# Altium PCB MasterBoard (Trapezoid).PcbDoc (part 1 of 2)
Units mil, origin at the board's own origin, x right, y up, seen from the top; angles counter-clockwise.
Board outline 2846.02 x 5000 mil, 4 copper layers (Top Layer, GROUND, POWER, Bottom Layer), stack 23.756 mil thick; 102 components, 58 nets, 332 pads, 94 vias.
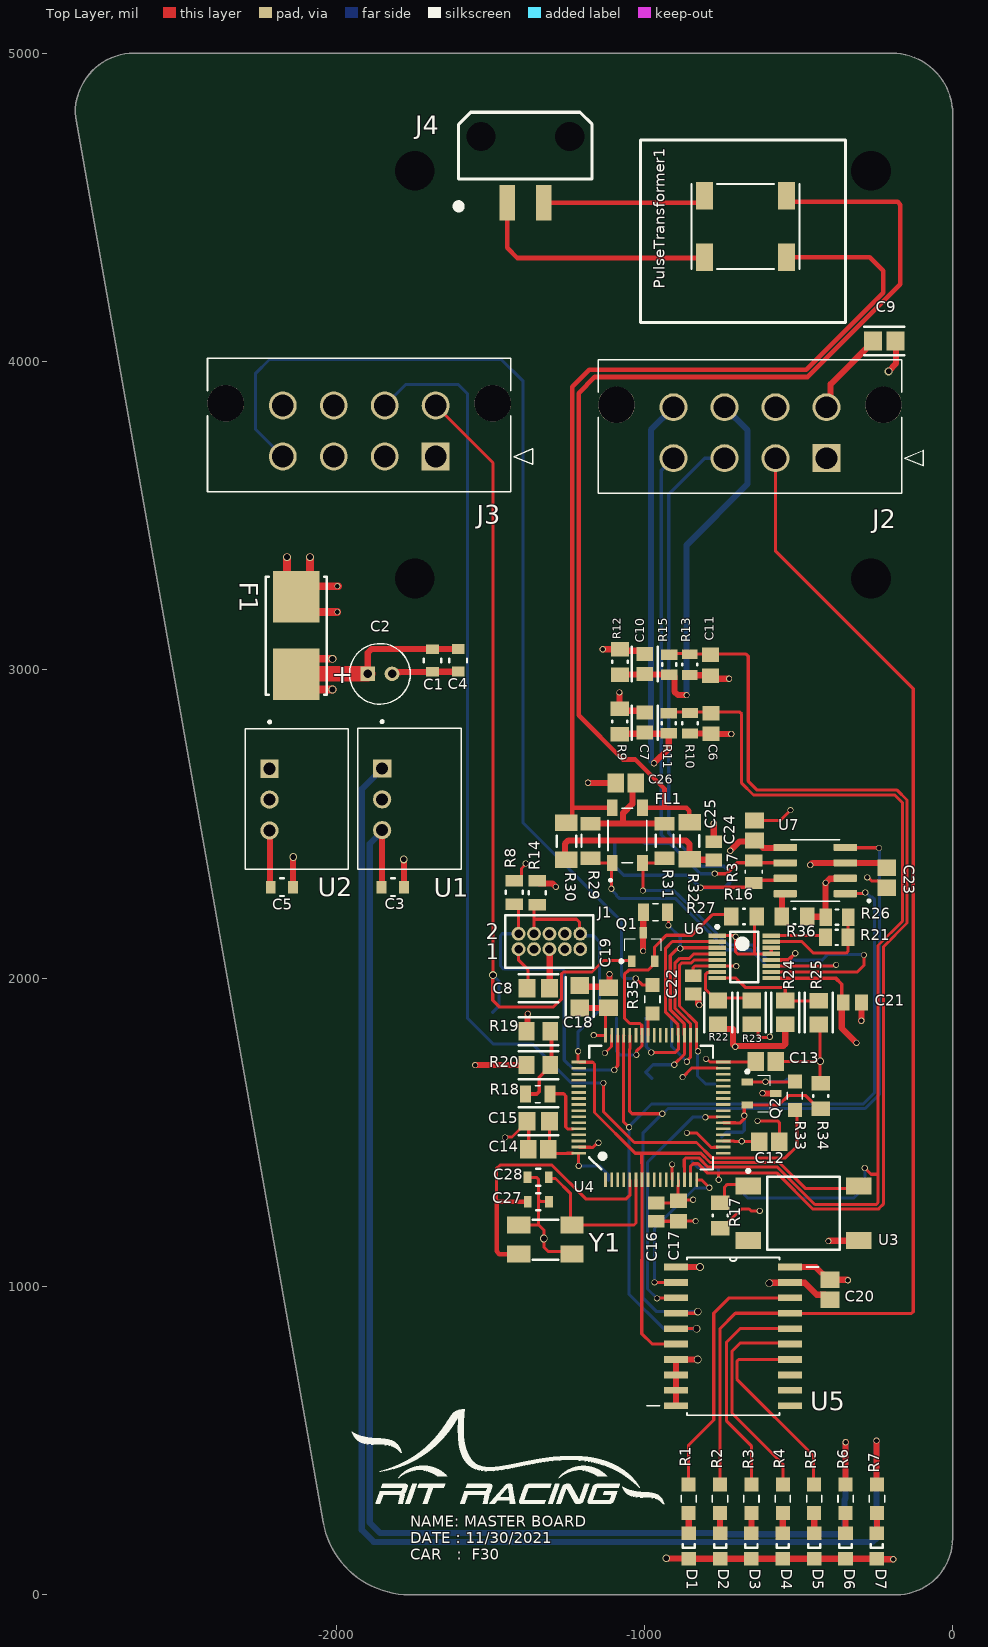
[diagram p0: Top Layer view]
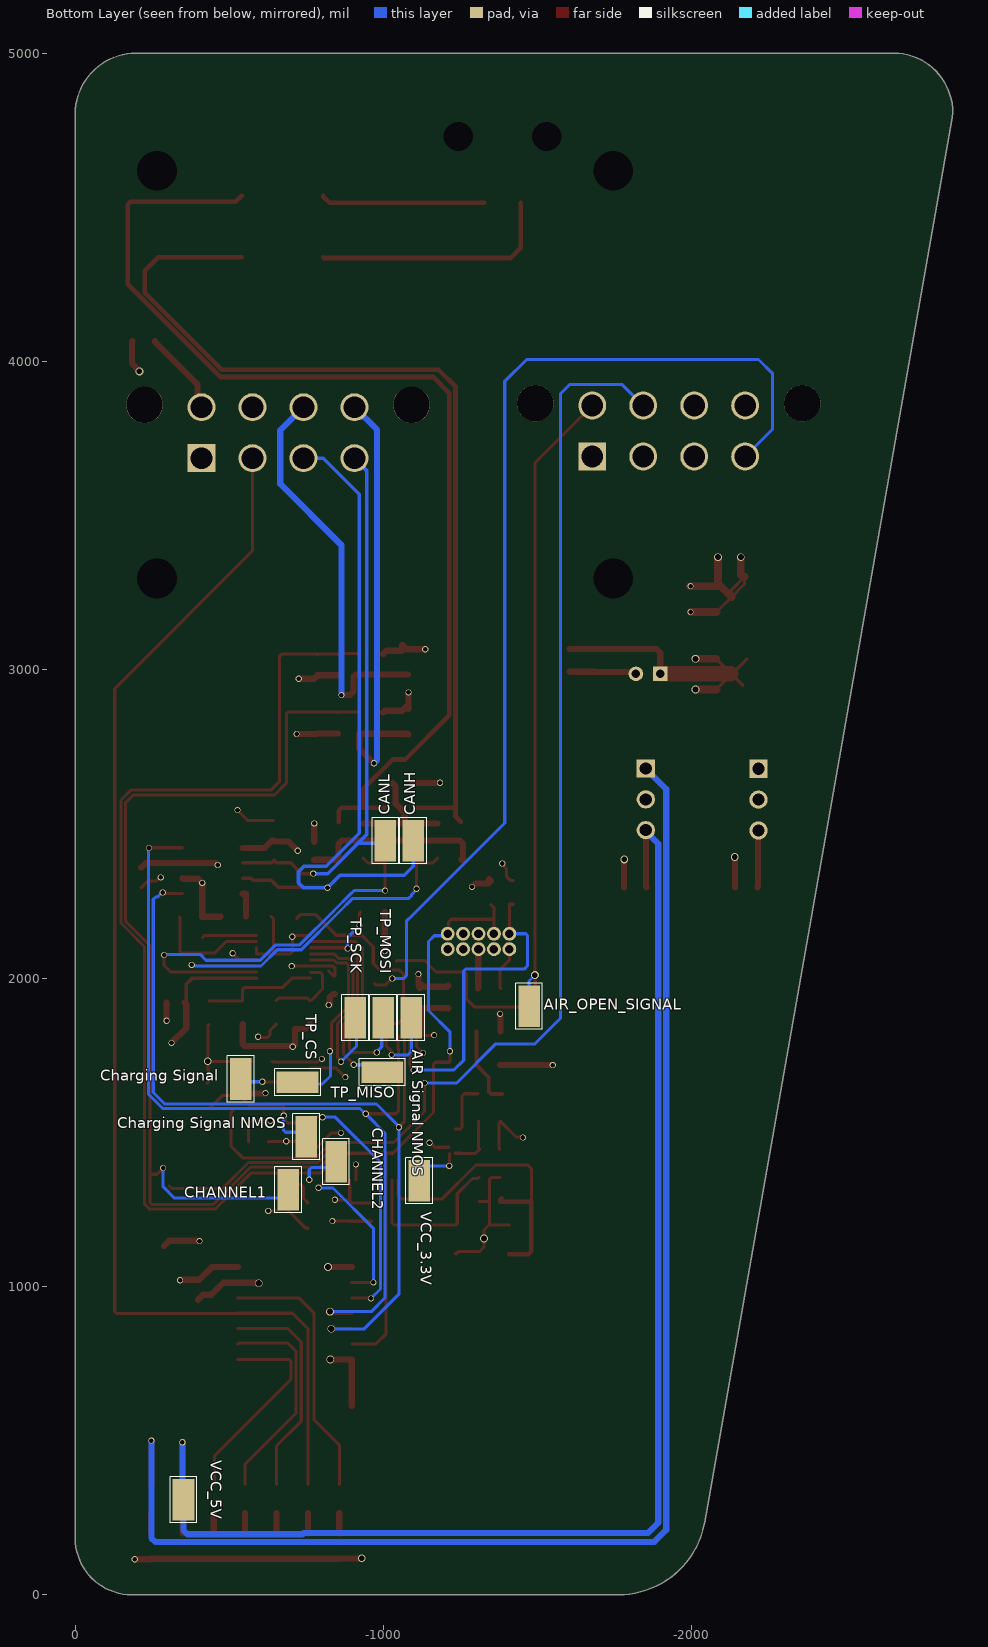
[diagram p1: Bottom Layer view, seen from below]
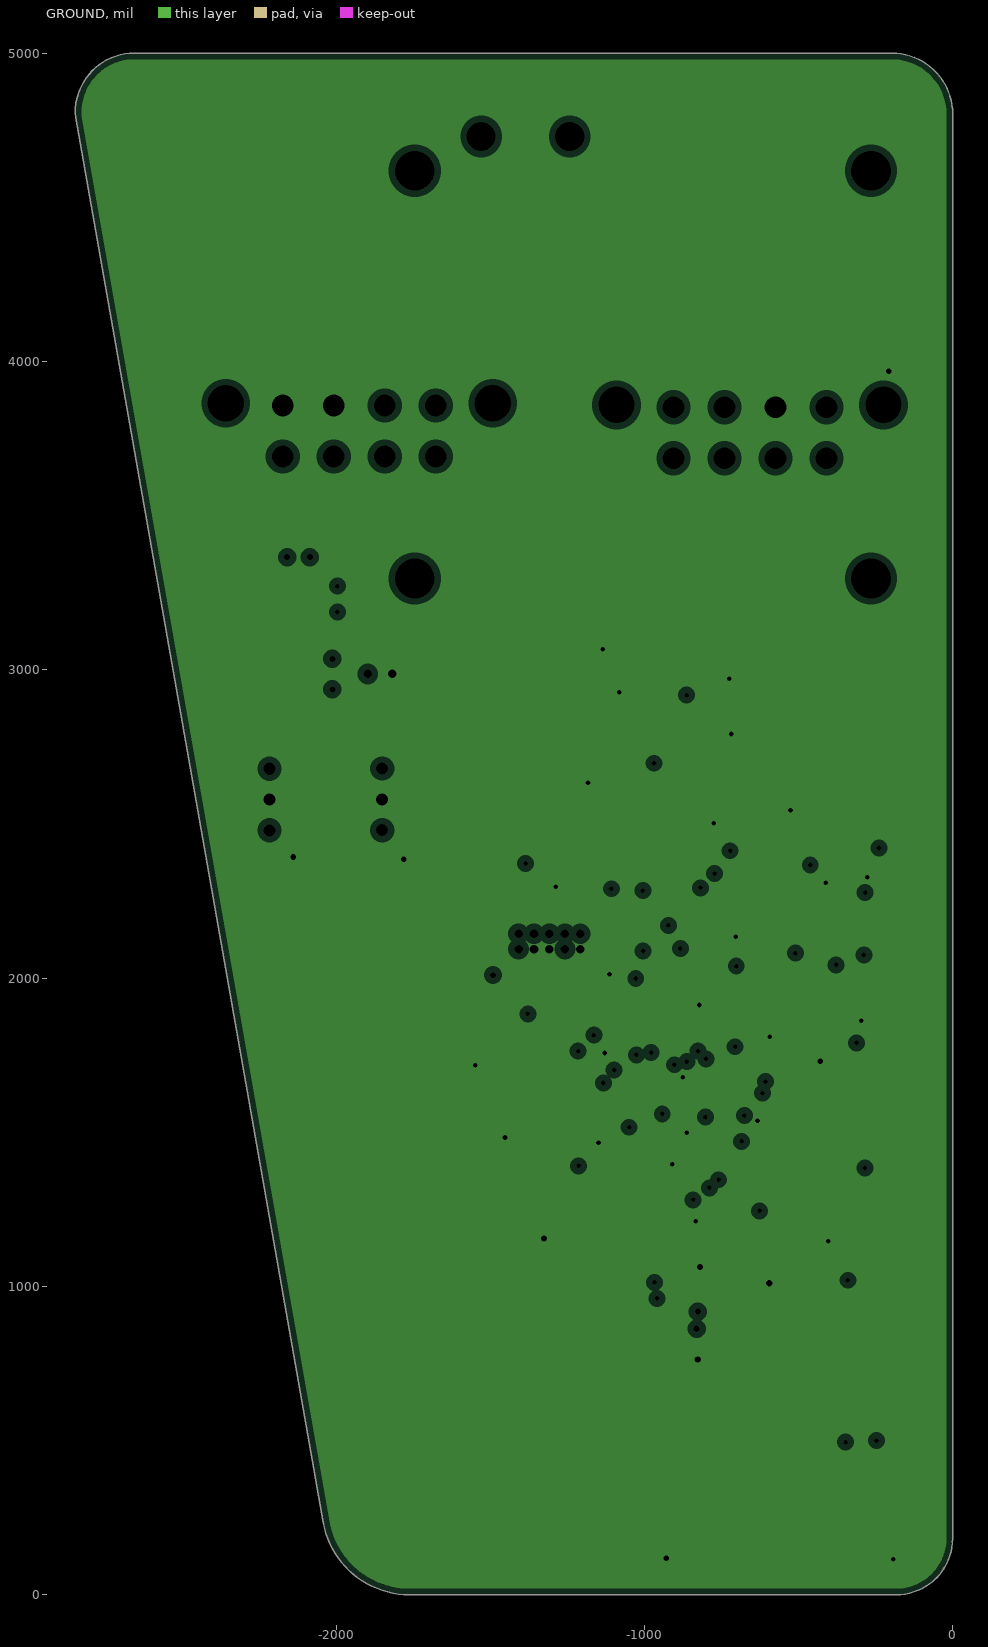
[diagram p2: GROUND, clearances drawn from the general rule]
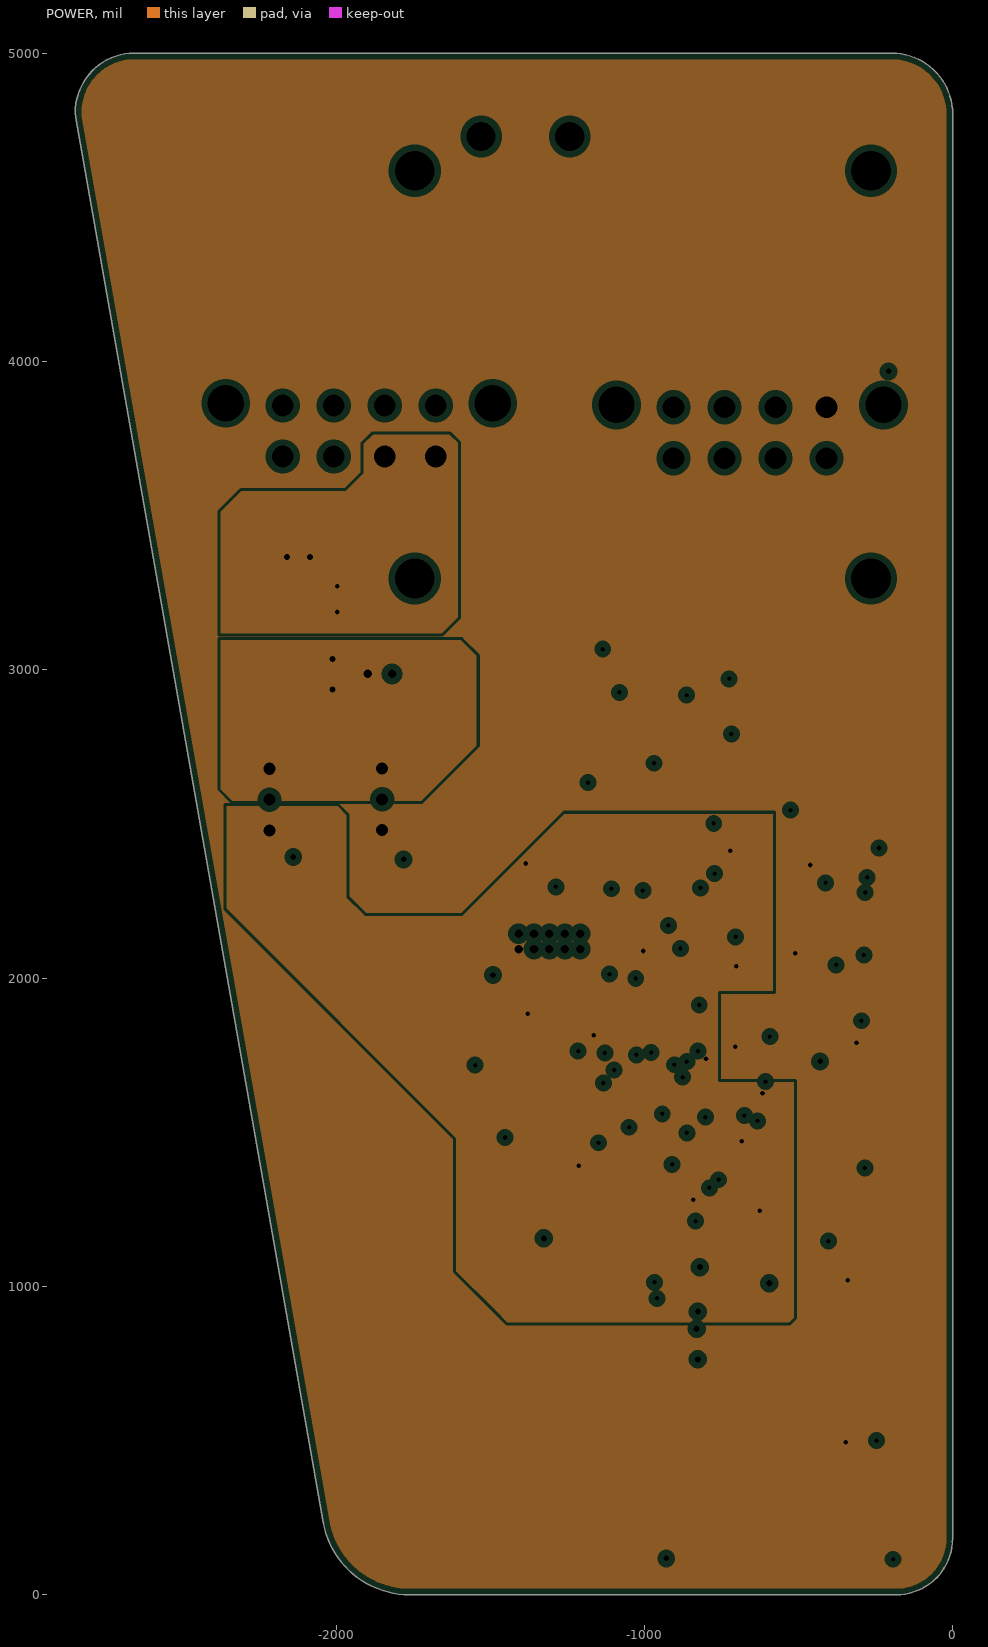
[diagram p3: POWER, clearances drawn from the general rule]
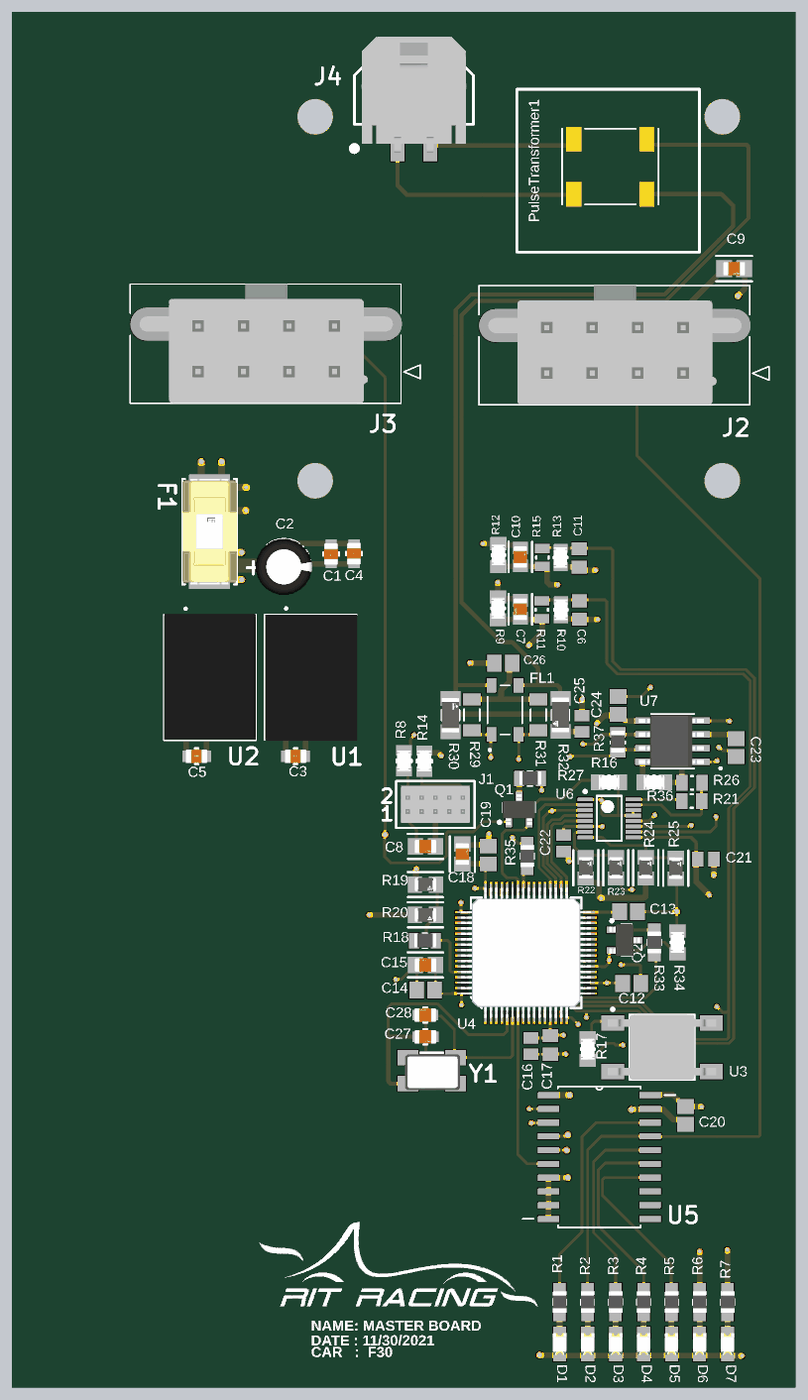
[diagram p5: 3D render of the assembled board from above, using the file's embedded part models]

## Layer stack, top to bottom
Top Solder: solder mask 0.4, Solder Resist, Dk 3.5
Top Layer: signal copper 1.4
Dielectric 2: prepreg 2.8, PP-006, Dk 4.1
GROUND: plane copper 1.378, net GND
Dielectric 1: dielectric 12.6, FR-4, Dk 4.8
POWER: plane copper 1.378, net (Multiple Nets)
Dielectric 3: prepreg 2.8, PP-006, Dk 4.1
Bottom Layer: signal copper 1.4
Bottom Solder: solder mask 0.4, Solder Resist, Dk 3.5

## Board outline
-2041.35,234.4 -2845.3,4791.95 cw(c-2653.97,4808.67) -2670.73,5000 -197,5000 cw(c-197,4803) 0,4803 0,183 cw(c-182.99,182.99) -183,0 -1761.98,0 cw(c-1761.98,283.68)

## Design rules (kind name [scope] priority, off if disabled: settings)
Clearance [All] p1: gap=7.87 ignorepadtopadclearanceinfootprint=TRUE except(5: Arc-Arc Arc-Track Arc-SMDPad Track-Track Track-SMDPad SMDPad-SMDPad; 10: Via-Via)
HoleSize [All] p1: absolutevalues=TRUE maxlimit=200 minlimit=1 maxpercent=80.000 minpercent=20.000
MinimumSolderMaskSliver [All] p1: minsoldermaskwidth=3
PlaneClearance [All] p1: clearance=20
PlaneConnect [All] p1: planeconnectstyle=Relief reliefexpansion=20 reliefentries=4 reliefconductorwidth=10 reliefairgap=10
PolygonConnect [All] p1: connectstyle=Relief reliefconductorwidth=10 reliefentries=4 polygonreliefangle="90 Angle" airgapwidth=10
RoutingVias [All] p1: holewidth=28 width=50 viastyle="Through Hole" minholewidth=28 minwidth=50 maxholewidth=28 maxwidth=50
SilkToSilkClearance [All] p1: silktosilkclearance=3
SilkToSolderMaskClearance [IsPad] p1: minsilkscreentomaskgap=5 clearancetoexposedcopper=TRUE
SolderMaskExpansion [All] p1: expansion=4 istentingtop=FALSE
Width [All] p1: maxlimit=50 minlimit=8 preferedwidth=10 minimp=50.000000 maximp=50.000000 favimp=50.000000
24 further rules are at their usual default settings.

## Classes and differential pairs
component class CONNECTORS: "AIR Signal NMOS" AIR_OPEN_SIGNAL C6 C7 C8 C9 C10 C11 CHANNEL1 CHANNEL2 "Charging Signal" "Charging Signal NMOS" J1 J2 J3 J4 Q1 Q2 R8 R9 R10 R11 R12 R13 R14 R15 R16 R17 R33 R34 R35 U3
component class PROCESSOR: C12 C13 C14 C15 C16 C17 C18 C19 C20 C27 C28 R18 R19 R20 TP_CS TP_MISO TP_MOSI TP_SCK U4 U5 Y1
component class POWER: C1 C2 C3 C4 C5 D1 D2 D3 D4 D5 D6 D7 F1 R1 R2 R3 R4 R5 R6 R7 U1 U2 VCC_3.3V VCC_5V
component class COMMUNICATIONS: C21 C22 C23 C24 C25 C26 CANH CANL FL1 PulseTransformer1 R21 R22 R23 R24 R25 R26 R27 R29 R30 R31 R32 R36 R37 U6 U7

## Components (designator, comment, footprint, x,y, rotation, side; value= is the part's Value field where it differs from the comment)
"AIR Signal NMOS" "5015" 5015 -1090,1871 r90 bottom
AIR_OPEN_SIGNAL "5015" 5015 -1472,1909 r90 bottom
C1 "10uF" FP-C2012-125-0_2-MFG -1687,3030 r270 top
C2 "10uF" CAPPRD200W50D550H1250 -1858,2987 r0 top value=Value?
C3 "10uF" FP-C2012-125-0_2-MFG -1816,2295 r0 top
C4 "10uF" FP-C2012-125-0_2-MFG -1604,3031 r270 top
C5 "10uF" FP-C2012-125-0_2-MFG -2176,2295 r0 top
C6 "GRM219R71C684KA01D" CAPC2013X95X45NL10T25 -784,2826 r270 top
C7 "GRM2195C1H103JA01D" FP-GRM219-0_1-IPC_B -999,2829 r270 top
C8 "470nF" FP-GCM21B-0_15-IPC_A -1344,1967 r0 top
C9 "GRM21BR61A476ME15L" FP-GRM21B-0_2-e0_2_0_7-IPC_A -222,4067 r0 top
C10 "GRM2195C1H103JA01D" FP-GRM219-0_1-IPC_B -999,3019 r90 top
C11 "GRM219R71C684KA01D" CAPC2013X95X45NL10T25 -785,3015 r90 top
C12 "100nF" CAPC2013X145X45NL30T25 -594.52,1469 r180 top
C13 "100nF" CAPC2013X145X45NL30T25 -606,1730 r180 top
C14 "100nF" CAPC2013X145X45NL30T25 -1344,1445 r0 top
C15 "4.7uF" FP-GCM21B-0_15-IPC_A -1344,1536 r180 top
C16 "10nF" CAPC2013X70X45LL15T25 -961,1241 r90 top
C17 "1uF" CAPC2013X70X45NL10T25 -890,1245 r90 top
C18 "4.7uF" FP-GCM21B-0_15-IPC_A -1210,1939 r90 top
C19 "100nF" CAPC2013X145X45NL30T25 -1116,1936 r270 top
C20 "100nF" CAPC2013X145X45NL30T25 -398,989 r90 top
C21 "10nF" CAPC2013X70X45LL15T25 -325,1921 r180 top
C22 "10nF" CAPC2013X70X45LL15T25 -842,1978 r90 top
C23 "100nF" CAPC2013X145X45NL30T25 -214,2326 r90 top
C24 "100nF" CAPC2013X145X45NL30T25 -643,2479 r270 top
C25 "10nF" CAPC2013X70X45LL15T25 -775,2413 r270 top
C26 "100nF" CAPC2013X145X45NL30T25 -1061,2633 r0 top
C27 "18pF" FP-GQM219-0_15-MFG -1344.07,1274.93 r0 top
C28 "18pF" FP-GQM219-0_15-MFG -1344.62,1353.93 r180 top
CANH "5015" 5015 -1096,2446 r90 bottom
CANL "5015" 5015 -1006,2446 r90 bottom
CHANNEL1 "5015" 5015 -691,1313 r90 bottom
CHANNEL2 "5015" 5015 -846,1405 r90 bottom
"Charging Signal" "5015" 5015 -537,1673 r90 bottom
"Charging Signal NMOS" "5015" 5015 -749,1485 r90 bottom
D1 "HEARTBEAT" 0805_A -856,157.74 r90 top
D2 "SHUTDOWN" 0805_A -754.33,157.74 r90 top
D3 "CANRX" 0805_A -652.67,157.74 r90 top
D4 "CANTX" 0805_A -551,157.74 r90 top
D5 "RESET" 0805_A -449.33,157.74 r90 top
D6 "5V" 0805_A -347.67,157.74 r90 top
D7 "12V Fused" 0805_A -246,157.74 r90 top
F1 "2A" FP-0154-MFG -2129,3111 r270 top value=0.0625Ω
FL1 "ACT45B-220-2P-TL003" FIL_ACT45B-220-2P-TL003 -1055,2463 r90 top
J1 "SAMTEC-FTSH-105-01-X-D" SAMTEC-FTSH-105-01-X-D -1308,2119 r0 top
J2 "462070008" CON_462070008 -409.44,3686.55 r0 top
J3 "462070008" CON_462070008 -1676.94,3692 r0 top
J4 "43650-0209" 43650-0209 -1386,4730 r180 top
PulseTransformer1 "PE-68386NLT" PE-68386NL_PUL -672,4438 r180 top
Q1 "SSM3K329R,LF" SOT23-3 -1004,2101 r90 top
Q2 "SSM3K329R,LF" SOT23-3 -620,1626 r0 top
R1 "ERJP06J161V" RES_ERJP06J161V -856.52,310.74 r90 top
R2 "ERJP06J161V" RES_ERJP06J161V -754.68,310.74 r90 top
R3 "ERJP06J161V" RES_ERJP06J161V -652.84,310.74 r90 top
R4 "ERJP06J161V" RES_ERJP06J161V -551,310.74 r90 top
R5 "ERJP06J161V" RES_ERJP06J161V -449.16,310.74 r90 top
R6 "ERJP06J161V" RES_ERJP06J161V -347.32,310.74 r90 top
R7 "ERJP06J161V" RES_ERJP06J161V -245.48,310.74 r90 top
R8 "CRCW0805100KFKEA" FP-CRCW0805-e3-MFG -1422,2278 r90 top
R9 "CRCW080512K0FKEA" FP-CRCW0805-e3-IPC_A -1080,2832 r90 top
R10 "CRCW08053K09FKEA" FP-CRCW0805-e3-IPC_C -852,2827 r270 top
R11 "CRCW08051K60FKEA" RESC2013X50X30LL20T20 -921,2827 r90 top
R12 "CRCW080512K0FKEA" FP-CRCW0805-e3-IPC_A -1079,3026 r90 top
R13 "CRCW08053K09FKEA" FP-CRCW0805-e3-IPC_C -853,3017 r270 top
R14 "CRCW0805100KFKEA" FP-CRCW0805-e3-MFG -1348,2277 r270 top
R15 "CRCW08051K60FKEA" RESC2013X50X30LL20T20 -919,3017 r90 top
R16 "CRCW080510K0FKEA" FP-CRCW0805-e3-IPC_A -677,2200 r180 top
R17 "CRCW080510K0FKEA" FP-CRCW0805-e3-IPC_A -754,1230 r270 top
R18 "2k, 1%, 0.4W" RESC2012X50N -1346,1624 r180 top
R19 "0r" FP-CRCW0805-HPe3-IPC_A -1344,1828 r180 top
R20 "0r" FP-CRCW0805-HPe3-IPC_A -1344,1718 r180 top
R21 "806R, 0.1%" RESC2013X50X30NL20T20 -376,2132 r180 top
R22 "0r" FP-CRCW0805-HPe3-IPC_A -761,1889 r270 top
R23 "0r" FP-CRCW0805-HPe3-IPC_A -652,1889 r270 top
R24 "0r" FP-CRCW0805-HPe3-IPC_A -543,1889 r270 top
R25 "0r" FP-CRCW0805-HPe3-IPC_A -434,1888 r270 top
R26 "1.21K, 0.1%, 1/5W" RESC2013X50X30NL20T20 -375,2198 r0 top
R27 "2k, 1%, 0.4W" RESC2012X50N -964,2214 r180 top
R29 "ERJ-8ENF62R0V" RESC3216X70X50NL05T20 -1175.46,2445 r270 top
R30 "CRCW1206300RFKEA" FP-CRCW1206-e3-IPC_A -1253,2444 r90 top
R31 "ERJ-8ENF62R0V" RESC3216X70X50NL05T20 -934,2445 r90 top
R32 "CRCW1206300RFKEA" FP-CRCW1206-e3-IPC_A -853,2445 r270 top
R33 "ERJP06J161V" RES_ERJP06J161V -512,1618 r270 top
R34 "CRCW080510K0FKEA" FP-CRCW0805-e3-IPC_A -428,1618 r270 top
R35 "ERJP06J161V" RES_ERJP06J161V -974,1932 r90 top
R36 "10k, 1%, 1/8W" FP-CRCW0805-e3-IPC_A -512.67,2200 r0 top
R37 "120r, 0.1%, 1/8w" RESC2012X55N -645,2345 r270 top
TP_CS "5015" 5015 -721,1662 r180 bottom
TP_MISO "5015" 5015 -996,1695 r0 bottom
TP_MOSI "5015" 5015 -999,1871 r90 bottom
TP_SCK "5015" 5015 -908,1871 r90 bottom
U1 "R-78E5.0-1.0" CONV_R-78E5.0-1.0 -1762,2580 r270 top
U2 "R-78E3.3-1.0" CONV_R-78E3.3-1.0 -2127.42,2579 r270 top
U3 "TL3301NF260QG" TECO-FSM4JSMA_V -484,1237 r90 top
U4 "STM32F091RCT6" TQFP64 -978.25,1580.1 r0 top
U5 "74ACT541SC" SOIC127P1032X265-20N -712,838 r0 top
U6 "LTC6820IMS#TRPBF" TSSOP50P490X110-16N -676,2069 r0 top
U7 "NXP CAN Transceiver" "NXP CAN Tranceiver" -445.64,2349 r180 top
VCC_3.3V "5015" 5015 -1116,1343 r90 bottom
VCC_5V "5015" 5015 -351,308 r90 bottom
Y1 "48MHZ" OSCCC500X320X110-4N -1321,1152 r0 top

## Footprints (in the part's own frame and the unit in brackets; to place one, negate y for a bottom-side part, rotate by r counter-clockwise, add the part's x,y. Pads: shape width x height; smd on the part's side, far side on the other; paste and mask are expansions set on the pad)
0805_A [mm] "Chip LED, 2-Leads, Body 2.0x1.3mm, IPC Medium Density"
  rect 1.1x1.2 smd: 1(-1.05,0) 2(1.05,0)
  silkscreen extent -0.15,-0.5 0.15,0.5, body extent -1,-0.62 1,0.63, height 0.68
5015 [mm] "SMD Test Point"
  rect 3.43x1.78 smd: 1(0,0)
  silkscreen extent -1.9,-1.1 1.9,1.1, body extent -1.27,-0.51 1.4,0.51, height 1.52
43650-0209 [mm]
  rect 1.27x2.92 smd: 1(1.5,5.47) 2(-1.5,5.47)
  round 0 hole 2.41 unplated: ""(-3.65,0) ""(3.65,0)
  silkscreen extent -5.5,-2 5.7,5.95, body extent -4.82,-4.6 4.83,6.14, height 5.64
CAPC2013X70X45LL15T25 [mm] "Chip Capacitor, 2-Leads, Body 2.00x1.25mm, IPC High Density"
  rect 1.05x1.35 smd: 1(-0.75,0) 2(0.75,0)
  body extent -1.08,-0.7 1.07,0.7, height 0.7
CAPC2013X70X45NL10T25 [mm] "Chip Capacitor, 2-Leads, Body 2.00x1.25mm, IPC Medium Density"
  rect 1.2x1.4 smd: 1(-0.85,0) 2(0.85,0)
  body extent -1.05,-0.67 1.05,0.67, height 0.7
CAPC2013X95X45NL10T25 [mm] "Chip Capacitor, 2-Leads, Body 2.00x1.25mm, IPC Medium Density"
  rect 1.2x1.4 smd: 1(-0.85,0) 2(0.85,0)
  body extent -1.05,-0.67 1.05,0.67, height 0.95
CAPC2013X145X45NL30T25 [mm] "Chip Capacitor, 2-Leads, Body 2.00x1.25mm, IPC Medium Density"
  rect 1.35x1.55 smd: 1(-0.825,0) 2(0.825,0)
  body extent -1.15,-0.77 1.15,0.77, height 1.45
CAPPRD200W50D550H1250 [mm]
  rect 1.208x1.208 hole 0.7: 1(-1,0)
  round 1.208 hole 0.7: 2(1,0)
  silkscreen extent -2.5,-2.5 2.5,2.5, body extent -2.65,-2.72 2.61,2.52, height 11.01
CON_462070008 [mm]
  rect 2.3x2.3 hole 1.8 mask+0.076: 1(0,0)
  round 2.3 hole 1.8 mask+0.076: 2(-4.2,0) 3(-8.4,0) 4(-12.6,0) 5(0,4.2) 6(-4.2,4.2) 7(-8.4,4.2) 8(-12.6,4.2)
  round 3 hole 3 unplated mask+0.076: M1(4.7,4.391) M2(-17.3,4.391)
  silkscreen extent -18.8,-2.9 7.98,8.1, body extent -18.77,-2.88 6.29,8.13, height 13.15
CONV_R-78E3.3-1.0 [mm]
  rect 1.508x1.508 hole 1: 1(-2.54,-2.25)
  round 1.508 hole 1: 2(0,-2.25) 3(2.54,-2.25)
  silkscreen extent -6.5,-4.25 5.75,4.25, body extent -5.93,-4.25 5.67,4.25, height 9.9
CONV_R-78E5.0-1.0 [mm]
  rect 1.508x1.508 hole 1: 1(-2.54,-2.25)
  round 1.508 hole 1: 2(0,-2.25) 3(2.54,-2.25)
  silkscreen extent -6.5,-4.25 5.75,4.25, body extent -5.8,-4.17 5.8,4.33, height 9.9
FIL_ACT45B-220-2P-TL003 [mm]
  rect 1.35x0.9 smd: 1(-2.275,1.25) 2(-2.275,-1.25) 3(2.275,-1.25) 4(2.275,1.25)
  silkscreen extent -3.8,-1.6 2.25,1.6
FP-0154-MFG [mm]
  rect 4.24x3.81 smd paste+0 mask+0: 1(-3.185,0) 2(3.185,0)
  silkscreen extent -4.86,-2.51 4.86,2.51, body extent -5.41,-2.62 5.41,2.62, height 0.25
FP-C2012-125-0_2-MFG [mm]
  rect 0.8x1.05 smd paste+0 mask+0: 1(-0.925,0) 2(0.925,0)
  silkscreen extent -0.15,-0.72 0.15,0.72, body extent -1.43,-0.82 1.43,0.82, height 0.25
FP-CRCW0805-e3-IPC_A [mil]
  rect 47.5x59.38 smd paste+0 mask+0: 1(-41.37,0) 2(41.37,0)
  silkscreen extent -3,-25 3,25, body extent -85,-49 85,49, height 10
FP-CRCW0805-e3-IPC_C [mil]
  rect 31.75x51.5 smd paste+0 mask+0: 1(-33.5,0) 2(33.5,0)
  silkscreen extent -3,-25 3,25, body extent -53,-31 53,31, height 10
FP-CRCW0805-e3-MFG [mm]
  rect 0.95x1.45 smd paste+0 mask+0: 1(-0.975,0) 2(0.975,0)
  silkscreen extent -0.13,-0.7 0.13,0.7, body extent -1.55,-0.82 1.55,0.82, height 0.25
FP-CRCW0805-HPe3-IPC_A [mil]
  rect 51.42x59.38 smd paste+0 mask+0: 1(-38.43,0) 2(38.43,0)
  silkscreen extent -64,-45 64,45, body extent -84,-49 84,49, height 10
FP-CRCW1206-e3-IPC_A [mil]
  rect 53.39x73.16 smd paste+0 mask+0: 1(-60.08,0) 2(60.08,0)
  silkscreen extent -19,-31 19,31, body extent -106,-56 106,56, height 10
FP-GCM21B-0_15-IPC_A [mil]
  rect 55.34x59.38 smd paste+0 mask+0: 1(-36.47,0) 2(36.47,0)
  silkscreen extent -64,-45 64,45, body extent -84,-49 84,49, height 10
FP-GQM219-0_15-MFG [mm]
  rect 0.65x0.95 smd paste+0 mask+0: 1(-0.875,0) 2(0.875,0)
  silkscreen extent -0.18,-0.7 0.18,0.7, body extent -1.3,-0.8 1.3,0.8, height 0.25
FP-GRM21B-0_2-e0_2_0_7-IPC_A [mil]
  rect 57.27x61.27 smd paste+0 mask+0: 1(-36.45,0) 2(36.45,0)
  silkscreen extent -65,-46 65,46, body extent -85,-50 85,50, height 10
FP-GRM219-0_1-IPC_B [mil]
  rect 45.58x53.63 smd paste+0 mask+0: 1(-32.57,0) 2(32.57,0)
  silkscreen extent -55,-43 55,43, body extent -65,-37 65,37, height 10
"NXP CAN Tranceiver" [mm]
  rrect25% 1.95x0.59 smd: 1(-2.48,1.905) 2(-2.48,0.635) 3(-2.48,-0.635) 4(-2.48,-1.905) 5(2.48,-1.905) 6(2.48,-0.635) 7(2.48,0.635) 8(2.48,1.905)
  silkscreen extent -4.53,-2.52 2,2.59, body extent -2.87,-2.45 3.13,2.45, height 1.75
OSCCC500X320X110-4N [mm]
  rect 1.9x1.4 smd: 1(-2.2,-1.2) 2(2.2,-1.2) 3(2.2,1.2) 4(-2.2,1.2)
  silkscreen extent -1.05,-1.65 1.05,1.65, body extent -2.46,-1.8 2.62,1.5, height 1.1
PE-68386NL_PUL [mil]
  rect 55x90 smd paste-27.5 mask+0: 1(-132.5,100) 2(-132.5,-100) 3(132.5,-100) 4(132.5,100)
  silkscreen extent -175,-138 175,138, body extent 0,0 10,10, height 10
RES_ERJP06J161V [mm]
  rect 1.15x1.15 smd: 1(-1.175,0) 2(1.175,0)
  silkscreen extent -0.28,-0.63 0.28,0.63, body extent -1,-0.62 1,0.63, height 0.6
RESC2012X50N [mm]
  rect 0.92x1.42 smd: 1(-1,0) 2(1,0)
  silkscreen extent -0.22,-0.7 0.22,0.7, body extent -1.03,-0.65 0.97,0.6, height 0.5
RESC2012X55N [mm]
  rect 0.97x1.42 smd: 1(-0.93,0) 2(0.93,0)
  silkscreen extent -0.12,-0.7 0.12,0.7, body extent -1.08,-0.62 0.92,0.63, height 0.55
RESC2013X50X30LL20T20 [mm] "Chip Resistor, 2-Leads, Body 2.00x1.25mm, IPC High Density"
  rect 0.85x1.35 smd: 1(-0.825,0) 2(0.825,0)
  silkscreen extent -0.1,-0.58 0.1,0.58, body extent -1.1,-0.72 1.1,0.72, height 0.5
RESC2013X50X30NL20T20 [mm] "Chip Resistor, 2-Leads, Body 2.00x1.25mm, IPC Medium Density"
  rect 1.05x1.45 smd: 1(-0.925,0) 2(0.925,0)
  silkscreen extent -0.1,-0.63 0.1,0.63, body extent -1.1,-0.72 1.1,0.72, height 0.5
RESC3216X70X50NL05T20 [mm] "Chip Resistor, 2-Leads, Body 3.20x1.60mm, IPC Medium Density"
  rect 1.1x1.65 smd: 1(-1.425,0) 2(1.425,0)
  silkscreen extent -0.5,-0.72 0.5,0.72, body extent -1.63,-0.82 1.62,0.82, height 0.7
SAMTEC-FTSH-105-01-X-D [mil]
  round 45 hole 27.95 mask+0: 1(-100,-25) 2(-100,25) 3(-50,-25) 4(-50,25) 5(0,-25) 6(0,25) 7(50,-25) 8(50,25) 9(100,-25) 10(100,25)
  silkscreen extent -143,-85 143,85, body extent -125,-67 125,68, height 219
SOIC127P1032X265-20N [mil]
  rect 78x22 smd: 1(-185,225) 2(-185,175) 3(-185,125) 4(-185,75) 5(-185,25) 6(-185,-25) 7(-185,-75) 8(-185,-125) 9(-185,-175) 10(-185,-225) 11(185,-225) 12(185,-175) 13(185,-125) 14(185,-75) 15(185,-25) 16(185,25) 17(185,75) 18(185,125) 19(185,175) 20(185,225)
  silkscreen extent -279,-256 277,256
SOT23-3 [mm] "SOT23, 3-Leads, Body 2.90x2.40mm, Pitch 0.95mm, IPC Medium Density"
  rect 0.95x0.6 smd: 1(-1.175,0.95) 2(-1.175,-0.95) 3(1.175,0)
  silkscreen extent -1.3,-1.5 0.7,1.92, body extent -1.42,-1.5 1.42,1.5, height 1.2
TECO-FSM4JSMA_V [mm] "SMD, 4-Leads, Body 6x6mm, Pitch 4.5mm"
  rect 1.4x2.1 smd: 1(2.25,4.55) 2(2.25,-4.55) 3(-2.25,4.55) 4(-2.25,-4.55)
  silkscreen extent -3,-3 3.62,4.67, body extent -3,-5 3,5, height 5.08
TQFP64 [mm]
  rect 0.22x1.2 smd paste-2: 1(-3.75,-5.95) 2(-3.25,-5.95) 3(-2.75,-5.95) 4(-2.25,-5.95) 5(-1.75,-5.95) 6(-1.25,-5.95) 7(-0.75,-5.95) 8(-0.25,-5.95) 9(0.25,-5.95) 10(0.75,-5.95) 11(1.25,-5.95) 12(1.75,-5.95) 13(2.25,-5.95) 14(2.75,-5.95) 15(3.25,-5.95) 16(3.75,-5.95) 33(3.75,5.95) 34(3.25,5.95) 35(2.75,5.95) 36(2.25,5.95) 37(1.75,5.95) 38(1.25,5.95) 39(0.75,5.95) 40(0.25,5.95) 41(-0.25,5.95) 42(-0.75,5.95) 43(-1.25,5.95) 44(-1.75,5.95) 45(-2.25,5.95) 46(-2.75,5.95) 47(-3.25,5.95) 48(-3.75,5.95)
  rect 1.2x0.22 smd paste-2: 17(5.95,-3.75) 18(5.95,-3.25) 19(5.95,-2.75) 20(5.95,-2.25) 21(5.95,-1.75) 22(5.95,-1.25) 23(5.95,-0.75) 24(5.95,-0.25) 25(5.95,0.25) 26(5.95,0.75) 27(5.95,1.25) 28(5.95,1.75) 29(5.95,2.25) 30(5.95,2.75) 31(5.95,3.25) 32(5.95,3.75) 49(-5.95,3.75) 50(-5.95,3.25) 51(-5.95,2.75) 52(-5.95,2.25) 53(-5.95,1.75) 54(-5.95,1.25) 55(-5.95,0.75) 56(-5.95,0.25) 57(-5.95,-0.25) 58(-5.95,-0.75) 59(-5.95,-1.25) 60(-5.95,-1.75) 61(-5.95,-2.25) 62(-5.95,-2.75) 63(-5.95,-3.25) 64(-5.95,-3.75)
  silkscreen extent -5.1,-5.1 5.1,5.1, body extent -6,-6 6,6, height 1.58
TSSOP50P490X110-16N [mm] "TSSOP, 16-Leads, Body 3.77x3.00mm, Pitch 0.50mm, IPC Medium Density"
  rect 1.45x0.35 smd: 1(-2.225,1.75) 2(-2.225,1.25) 3(-2.225,0.75) 4(-2.225,0.25) 5(-2.225,-0.25) 6(-2.225,-0.75) 7(-2.225,-1.25) 8(-2.225,-1.75) 9(2.225,-1.75) 10(2.225,-1.25) 11(2.225,-0.75) 12(2.225,-0.25) 13(2.225,0.25) 14(2.225,0.75) 15(2.225,1.25) 16(2.225,1.75)
  silkscreen extent -2.35,-2.08 1.15,2.6, body extent -1.55,-2.05 1.55,2.05, height 1.1

## Part data
"AIR Signal NMOS" AIR_OPEN_SIGNAL CANH CANL CHANNEL1 CHANNEL2 "Charging Signal" "Charging Signal NMOS" TP_CS TP_MISO TP_MOSI TP_SCK VCC_3.3V VCC_5V: "SMD Test Point", Manufacturer="Keystone Electronics", ComponentLink1Description=Datasheet, ComponentLink1URL=http://www.mouser.com/ds/2/215/005-5009-743680.pdf, PartNumber=5015, Published=22Oct2016, Publisher=T.Tallo, Status=Active, TargetLibrary=RITRacing-Connectors
C1 C3 C4 C5: library part CMP-08246-003655-1, "Multilayer Ceramic Capacitors 10μF ±10% 16V X6S SMD 0805", Case Code (Imperial)=0805, Case Code (Metric)=2012, Dielectric=X6S, Dielectric Material=Ceramic, Max Operating Temperature=105°C, Min Operating Temperature=-55°C, Package Quantity=1, Supplier Part Number 1=445-7611-1-ND, Tolerance=10%, Voltage Rating=16V, Capacitance=10uF, Case/Package=0805, Construction=Flat, Contact Plating=Tin, Depth=1.25mm, Height=1.25mm, Lead Free="Lead Free", Length=2mm, Mount="Surface Mount", Packaging="Tape and Reel", REACH SVHC="No SVHC", RoHS Compliant=Yes, Series=C, Supplier 1=Digi-Key, Thickness=0.057inch, Voltage Rating (DC)=16V, Width=0.049inch
C2: library part "Cap, TH, Electrolytic_5mm", "Cap Alum 10UF 20% 25V Radial", Manufacturer 1=KEMET, Manufacturer Part Number 1=ESW106M025AC3AA, Supplier Part Number 1=399-ESW106M025AC3AA-ND, Pricing 1="1=0.23000, 10=0.15400, 50=0.09260, 100=0.07820, 500=0.05352, 1000=0.04735, 2500=0.04529, 5000=0.04117 (USD)", Published=22Oct2016, Publisher=T.Tallo, RoHS Compliant=Yes, Status=Active, Stock 1=7476, Supplier 1=Digi-Key, TargetLibrary=RITRacing-Passives
C6 C11: library part CMP-2007-00190-1, Capacitance=680nF, Case Code (Imperial)=0805, Case Code (Metric)=2012, Dielectric=X7R, Manufacturer=Murata, Max Operating Temperature=125°C, Min Operating Temperature=-55°C, Package Quantity=1, Supplier Part Number 1=490-4741-1-ND, Tolerance=10%, Voltage=16V, Case/Package=0805, Category="Ceramic Capacitors", ComponentLink1Description=https://datasheet.ciiva.com/136/grm219r71c684ka01-01-136854.pdf?src-supplier=Digi-Key, ComponentLink1URL=https://datasheet.ciiva.com/136/grm219r71c684ka01-01-136854.pdf?src-supplier=Digi-Key, ComponentLink2Description=https://datasheet.ciiva.com/136/grm219r71c684ka01-01-136855.pdf?src-supplier=Digi-Key, ComponentLink2URL=https://datasheet.ciiva.com/136/grm219r71c684ka01-01-136855.pdf?src-supplier=Digi-Key, ComponentLink3Description=https://datasheet.ciiva.com/136/grm219r71c684ka01-01-136856.pdf?src-supplier=Digi-Key, ComponentLink3URL=https://datasheet.ciiva.com/136/grm219r71c684ka01-01-136856.pdf?src-supplier=Digi-Key, ComponentLink4Description=https://datasheet.ciiva.com/5426/product-5426512.pdf?src-supplier=Mouser, ComponentLink4URL=https://datasheet.ciiva.com/5426/product-5426512.pdf?src-supplier=Mouser, ComponentLink5Description=https://datasheet.ciiva.com/11464/product-11464042.pdf?src-supplier=Avnet, ComponentLink5URL=https://datasheet.ciiva.com/11464/product-11464042.pdf?src-supplier=Avnet, Construction=Flat, Depth=1.25mm, Height=0.85mm, Lead Free="Lead Free", Length=2mm, Manufacturer 1=Murata, Manufacturer 2=Murata, Manufacturer 3=Murata, Manufacturer Part Number 1=GRM219R71C684KA01D, Manufacturer Part Number 2=GRM219R71C684KA01D, Manufacturer Part Number 3=GRM219R71C684KA01D, Material=Ceramic, Mount="Surface Mount", Packaging="Tape and Reel", Part Number=GRM219R71C684KA01D, Pricing 1="1=0.33000, 10=0.22300, 50=0.14860, 100=0.12630, 500=0.08914, 1000=0.07800 (USD)", Pricing 2="1=0.33000, 10=0.22300, 50=0.14860, 100=0.12630, 500=0.08914, 1000=0.07800 (USD)", Pricing 3="1=0.32000, 10=0.22300, 50=0.22300, 100=0.12700, 500=0.09000, 1000=0.07800, 2000=0.07500, 4000=0.06800, 8000=0.05600, 10000=0.05600 (USD)", Radiation Hardening=No, RoHS=Yes, RoHS Compliant=Yes, Series=GRM, Stock 1=28535, Stock 2=28535, Stock 3=83, Supplier 1=Digi-Key, Supplier 2=Digi-Key, Supplier 3=Mouser, Supplier Part Number 2=490-4741-6-ND, Supplier Part Number 3=81-GRM219R71C684KA1D, Termination=SMD/SMT, Thickness=0.037inch, Voltage Rating=16V, Voltage Rating (DC)=16V, Width=1.25mm